# Altium PCB 10X SD CARD READER PCB.PcbDoc (part 3 of 4) (continued)
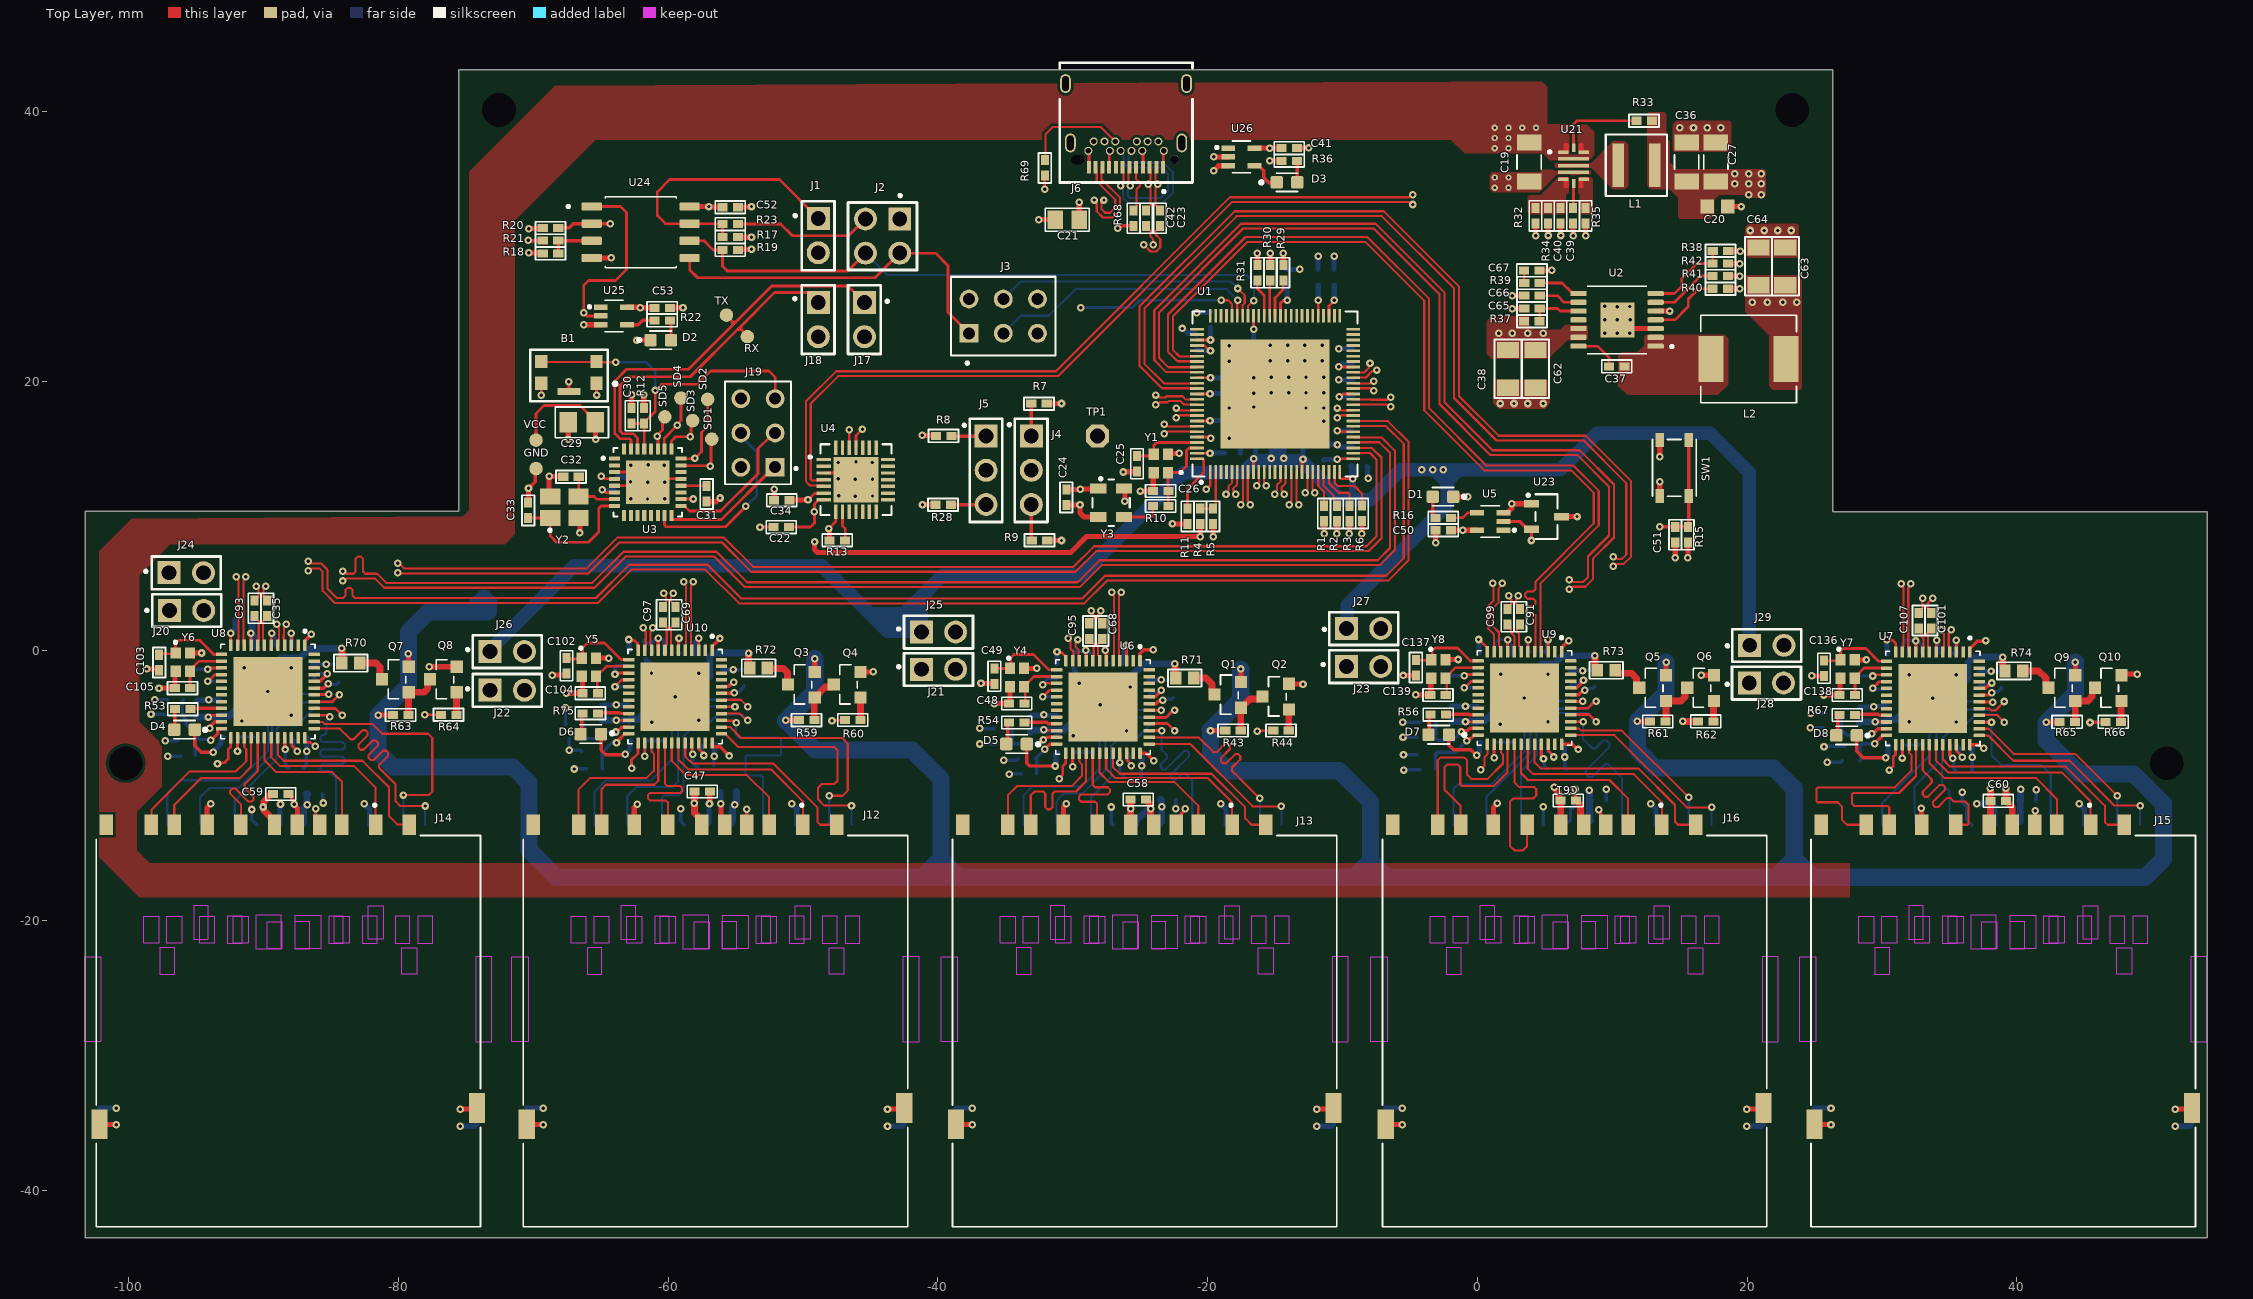
[diagram p0: Top Layer view]
## Nets (pads, with @x,y where several pads share a name; then routed paths per layer and width w, separated by ;. In a path a pad name is that pad's centre, name@x,y a point inside that pad or via, vN(x,y) a via of type N, cw(c..) or ccw(c..) an arc to the next point about the centre after c; other vN are vias at no path point) (continued)
  Int2 Sig1 w0.203: v1(-78.054,-4.75) -77.172,-3.868 -77.172,4.419 -72.034,9.557 -72.034,15.9 -70.231,17.704 -58.852,17.704 -58.369,17.221 v1(-58.369,15.875)
SD3_CD: J8.CD U6.1 | length 17.1
  Top Layer w0.254: U6.1@-25.019,-0.787 -25.019,-0.203 -24.74,0.076 v1(-24.028,0.076)
  Int2 Sig1 w0.254: v1(-27.153,-11.582) -27.153,-10.185 -27.991,-9.347 -27.991,-5.791 -26.721,-4.521 -26.721,-1.956 -24.689,0.076 v1(-24.028,0.076)
  Bottom Layer w0.254: v1(-27.153,-11.582) -27.153,-12.739 J8.CD@-26.992,-12.9
SD3_CLK: J8.5 U6.39 | length 14.5
  Top Layer w0.203: U6.39@-24.33,-5.913 -24.327,-5.916 -23.415,-5.916 v1(-23.413,-5.918)
  Bottom Layer w0.156: v1(-23.413,-5.918) -23.413,-7.347 -23.152,-7.607 -23.097,-7.663 -23.026,-7.733 -23.026,-7.961 -23.478,-8.413 -23.478,-8.641 -23.326,-8.793 -23.098,-8.793 -21.748,-7.443 -21.52,-7.443 -21.368,-7.595 -21.368,-7.823 -22.718,-9.173 -22.718,-9.402 -22.566,-9.554 -22.338,-9.554 -21.886,-9.101 -21.658,-9.101 -21.603,-9.157 -21.142,-9.618 J8.5@-21.142,-12.9
SD3_CMD: J8.2 U6.40 | length 14.2
  Top Layer w0.203: U6.40@-24.33,-5.413 -24.301,-5.385 -23.634,-5.385 -22.988,-5.385 v1(-22.455,-5.918)
  Bottom Layer w0.156: J8.2@-28.642,-12.9 -28.642,-10.836 -27.151,-9.345 -27.151,-7.046 -26.759,-6.655 -25.425,-6.655 -24.13,-5.359 -23.014,-5.359 v1(-22.455,-5.918)
SD3_D0: J8.7 U6.38 | length 16.2
  Top Layer w0.156: U6.38@-24.33,-6.413 -23.639,-6.413 -23.624,-6.428 -20.648,-6.428 -19.617,-7.46 -19.561,-7.515 -19.333,-7.515 -18.72,-6.902 -18.492,-6.902 -18.34,-7.054 -18.34,-7.282 -19.016,-7.958 -19.016,-8.186 -18.864,-8.338 -18.636,-8.338 -17.96,-7.662 -17.732,-7.662 -17.58,-7.814 -17.58,-8.042 -18.193,-8.655 -18.193,-8.883 -17.592,-9.485 -17.536,-9.54 v1(-16.129,-10.947)
  Bottom Layer w0.156: J8.7@-16.217,-12.9 -16.129,-12.813 v1(-16.129,-10.947)
SD3_D1: J8.8 U6.37 | length 13.1
  Top Layer w0.156: U6.37@-24.33,-6.913 -21.281,-6.913 -16.662,-11.532 v1(-14.529,-11.532)
  Bottom Layer w0.156: v1(-14.529,-11.532) -14.529,-12.872 J8.8@-14.509,-12.892
SD3_D2: J8.9 U6.42 | length 17.5
  Top Layer w0.203: U6.42@-24.33,-4.413 -24.327,-4.411 -23.43,-4.411 v1(-23.427,-4.408)
  Bottom Layer w0.156: J8.9@-33.642,-12.9 -33.642,-10.705 -32.995,-10.058 -29.337,-10.058 -28.021,-8.743 -28.021,-6.096 -26.32,-4.394 -23.442,-4.394 v1(-23.427,-4.408)
SD3_D3: J8.1 U6.41 | length 17
  Top Layer w0.203: U6.41@-24.33,-4.913 -24.301,-4.942 -23.099,-4.942 -22.551,-4.394 v1(-22.455,-4.394)
  Bottom Layer w0.156: J8.1@-31.142,-12.9 -31.212,-12.83 -31.212,-11.146 -30.658,-10.592 -29.303,-10.592 -27.587,-8.876 -27.587,-6.302 -26.238,-4.953 -23.661,-4.953 -23.639,-4.975 -23.216,-4.975 -23.194,-4.953 -23.014,-4.953 v1(-22.455,-4.394)
SD3_VCC: C43.2 C154.2 C157.2 J8.4 U6.23 | length 31.8
  Top Layer w0.254: v1(-32.172,-6.58) -32.09,-6.58 -31.926,-6.416 -31.203,-6.416 U6.23@-31.2,-6.413
  Int2 Sig1 w0.508: v1(-32.172,-6.58) -35.307,-6.58 -36.049,-7.321 -36.049,-12.575 -34.222,-14.402 -24.281,-14.402 -23.396,-13.516 v1(-23.396,-11.563)
  Bottom Layer w0.254: C154.2@-34.548,-5.776 -34.495,-5.829 -34.495,-6.856 C157.2@-34.442,-6.909 ; C157.2@-34.392,-6.833 -34.325,-6.899 -32.574,-6.899 -32.254,-6.58 v1(-32.172,-6.58)
  Bottom Layer w0.508: J8.4@-23.642,-12.9 -23.406,-12.664 -23.406,-11.573 v1(-23.396,-11.563) -23.406,-11.554 -23.406,-11.059 -23.452,-11.013 C43.2@-23.483,-11.013
SD4: R66.1 SD4.1 U3.26 | length 181
  Top Layer w0.203: U3.26@-60.274,14.961 -60.295,14.981 -60.295,15.753 v1(-59.334,16.713) ; v1@-59.309,16.713 -59.309,16.835 -59.055,17.089 SD4.1@-59.055,18.745 ; R66.1@46.567,-5.289 R66.1@46.586,-5.269
  Top Layer w0.254: v1@45.439,-5.307 R66.1@46.549,-5.307
  Top Layer w0.508: v1(45.43,-5.316) v1@45.439,-5.307 ; R66.1@46.549,-5.307 R66.1@46.567,-5.289
  Int2 Sig1 w0.203: v1(-59.334,16.713) -59.334,15.85 -60.02,15.164 -63.602,15.164 -64.516,14.249 -65.583,14.249 -76.016,3.816 -76.016,-14.433 -73.31,-17.14 24.872,-17.14 25.705,-16.307 29.108,-16.307 29.997,-17.196 43.967,-17.196 45.974,-15.189 45.974,-5.89 45.43,-5.345 v1(45.43,-5.316)
SD4_CD: J13.CD U6.36 | length 8.1
  Top Layer w0.254: U6.36@-25.015,-7.598 -24.558,-7.598 v1(-24.003,-8.153) ; J13.CD@-22.342,-12.9 -21.969,-12.527 -21.969,-12.084 -21.652,-11.767 v1(-21.652,-11.718)
  Int2 Sig1 w0.254: v1(-24.003,-8.153) -22.581,-8.153 -21.652,-9.082 v1(-21.652,-11.718)
  Int1_GND1 w0.254: v1(-21.652,-11.718) v1@-21.606,-11.718
SD4_CLK: J13.5 U6.29 | length 9.7
  Top Layer w0.156: U6.29@-28.515,-7.598 -28.515,-9.477 -28.515,-9.954 -28.353,-10.116 -27.406,-10.116 -27.245,-10.277 -27.245,-10.492 -27.406,-10.653 -29.385,-10.653 -29.546,-10.814 -29.546,-11.029 -29.385,-11.191 -28.353,-11.191 -28.192,-11.352 -28.192,-11.43 J13.5@-28.192,-12.9
SD4_CMD: J13.2 U6.30 | length 11.2
  Top Layer w0.156: U6.30@-28.015,-7.598 -28.015,-9.019 -27.297,-9.736 -22.445,-9.736 -20.692,-11.49 J13.2@-20.692,-12.9
SD4_D0: J13.7 U6.28 | length 11.1
  Top Layer w0.156: J13.7@-33.117,-12.9 -33.117,-10.714 -32.832,-10.429 -32.817,-10.429 -32.201,-10.429 -32.04,-10.59 -32.04,-11.588 -31.879,-11.75 -31.664,-11.75 -31.502,-11.588 -31.502,-10.59 -31.341,-10.429 -30.967,-10.429 -29.758,-10.429 -29.015,-9.685 U6.28@-29.015,-7.598
SD4_D1: J13.8 U6.27 | length 10
  Top Layer w0.156: J13.8@-34.817,-12.9 -34.817,-10.712 -34.138,-10.033 -30.076,-10.033 -29.324,-9.28 -29.324,-8.421 -29.515,-8.23 U6.27@-29.515,-7.598
SD4_D2: J13.9 U6.32 | length 14.6
  Top Layer w0.156: U6.32@-27.015,-7.598 -27.025,-7.608 -27.025,-8.495 -27.015,-8.505 -27.015,-8.622 -26.518,-9.119 -19.71,-9.119 -17.221,-11.608 -17.221,-12.421 -16.742,-12.9 J13.9@-15.692,-12.9
SD4_D3: J13.1 U6.31 | length 13.2
  Top Layer w0.156: U6.31@-27.515,-7.598 -27.515,-8.757 -26.844,-9.427 -19.986,-9.427 -18.192,-11.222 J13.1@-18.192,-12.9
SD4_VCC: C58.2 C148.2 C151.2 J13.4 U6.24 | length 17.9
  Top Layer w0.254: v1@-32.071,-7.278 -31.71,-6.916 -31.203,-6.916 U6.24@-31.2,-6.913 ; J13.4@-25.73,-12.598 J13.4@-25.721,-12.589
  Top Layer w0.508: J13.4@-25.721,-12.589 -25.721,-11.718 C58.2@-25.721,-11.021
  Int2 Sig1 w0.508: v1(-32.071,-7.284) -32.995,-8.207 -32.995,-11.887 -31.979,-12.903 -26.873,-12.903 -25.705,-11.735 v1(-25.705,-11.718)
  Bottom Layer w0.254: C148.2@-32.733,-8.006 -32.733,-7.956 -32.071,-7.294 v1(-32.071,-7.284) ; C151.2@-32.676,-9.109 C148.2@-32.676,-7.961
SD5: R62.1 SD5.1 U3.27 | length 229.1
  Top Layer w0.203: U3.27@-60.757,14.961 -60.757,15.875 v1(-60.808,15.926) -60.808,15.99 -60.427,16.371 -60.427,16.955 -60.401,16.98 -60.401,17.297 SD5.1@-60.427,17.323 ; v1(15.24,-5.232) v1@15.241,-5.231 ; R62.1@16.36,-5.229 R62.1@16.36,-5.229
  Top Layer w0.508: v1@15.241,-5.231 R62.1@16.36,-5.229
  Int2 Sig1 w0.203: v1(-60.808,15.926) -63.779,15.926 -64.872,14.834 -65.862,14.834 -76.583,4.113 -76.583,-14.839 -73.533,-17.888 44.367,-17.888 46.685,-15.57 46.685,-1.676 43.332,1.676 37.44,1.676 36.025,0.262 33.811,0.262 32.422,1.651 26.746,1.651 22.2,6.198 16.713,6.198 15.24,4.724 15.24,-0.33 v1(15.24,-5.232)
SD5_CD: J9.CD U8.1 | length 22.8
  Top Layer w0.254: U8.1@-86.934,0.415 -86.931,0.418 -86.931,0.75 v1(-86.462,1.219)
  Int2 Sig1 w0.203: v1(-90.869,-11.767) -90.139,-12.497 -85.598,-12.497 -84.506,-11.405 -84.506,-6.756 -86.462,-4.801 v1(-86.462,1.219)
  Bottom Layer w0.254: v1(-90.869,-11.767) -90.865,-11.771 -90.865,-12.527 J9.CD@-90.492,-12.9
SD5_CLK: J9.5 U8.39 | length 16.9
  Top Layer w0.203: U8.39@-86.249,-4.77 -85.293,-4.77 -85.186,-4.877 v1(-85.09,-4.877)
  Bottom Layer w0.156: v1(-85.09,-4.877) -85.09,-4.927 -85.332,-5.17 -85.332,-5.664 -85.332,-6.077 -85.493,-6.238 -85.628,-6.238 -85.789,-6.399 -85.789,-6.614 -85.628,-6.775 -84.126,-6.775 -83.965,-6.937 -83.965,-7.152 -84.126,-7.313 -85.628,-7.313 -85.789,-7.474 -85.789,-7.689 -85.628,-7.85 -84.126,-7.85 -83.965,-8.012 -83.965,-8.226 -84.126,-8.388 -85.628,-8.388 -85.789,-8.549 -85.789,-8.764 -85.628,-8.925 -85.159,-8.925 -85.081,-9.003 -84.642,-9.443 J9.5@-84.642,-12.9
SD5_CMD: J9.2 U8.40 | length 16.4
  Top Layer w0.203: U8.40@-86.249,-4.27 -84.68,-4.27 v1(-84.176,-4.775)
  Bottom Layer w0.156: J9.2@-92.142,-12.9 -92.142,-11.141 -89.052,-8.052 -89.052,-5.817 -88.773,-5.537 -87.554,-5.537 -86.208,-4.191 -84.76,-4.191 v1(-84.176,-4.775)
SD5_D0: J9.7 U8.38 | length 17.7
  Top Layer w0.156: U8.38@-86.249,-5.27 -85.611,-5.27 -85.446,-5.436 -81.915,-5.436 -81.204,-6.147 -77.8,-6.147 -77.495,-6.452 -77.495,-10.439 -77.749,-10.693 v1(-79.629,-10.693)
  Bottom Layer w0.156: J9.7@-79.717,-12.9 -79.629,-12.813 v1(-79.629,-10.693)
SD5_D1: J9.8 U8.37 | length 19.3
  Top Layer w0.156: U8.37@-86.249,-5.77 -84.349,-5.77 -83.617,-6.502 -83.561,-6.558 -83.333,-6.558 -82.663,-5.888 -82.435,-5.888 -82.283,-6.04 -82.283,-6.268 -82.973,-6.957 -82.973,-7.185 -82.821,-7.337 -82.593,-7.337 -81.903,-6.648 -81.675,-6.648 -81.523,-6.8 -81.523,-7.028 -82.213,-7.717 -82.213,-7.945 -82.061,-8.097 -81.833,-8.097 -81.143,-7.408 -80.915,-7.408 -80.763,-7.56 -80.763,-7.788 -81.433,-8.458 -81.433,-8.686 -81.094,-9.025 -81.039,-9.081 -80.208,-9.911 -80.208,-11.156 -79.858,-11.506 v1(-78.029,-11.506)
  Bottom Layer w0.156: v1(-78.029,-11.506) -78.029,-12.888 J9.8@-78.017,-12.9
SD5_D2: J9.9 U8.42 | length 20
  Top Layer w0.203: U8.42@-86.249,-3.27 -86.221,-3.242 -85.193,-3.242 v1(-85.165,-3.214)
  Bottom Layer w0.156: J9.9@-97.142,-12.9 -97.142,-10.553 -96.19,-9.601 -91.846,-9.601 -89.687,-7.442 -89.687,-4.851 -88.05,-3.214 v1(-85.165,-3.214)
SD5_D3: J9.1 U8.41 | length 19
  Top Layer w0.203: U8.41@-86.249,-3.77 -84.893,-3.77 v1(-84.374,-3.251)
  Bottom Layer w0.156: J9.1@-94.642,-12.9 -94.712,-12.83 -94.712,-10.866 -94.031,-10.185 -91.872,-10.185 -89.361,-7.675 -89.361,-5.313 -87.884,-3.835 -84.958,-3.835 v1(-84.374,-3.251)
SD5_VCC: C44.2 C144.2 C145.2 J9.4 U8.23 | length 18.5
  Top Layer w0.254: v1(-93.98,-5.74) -93.922,-5.682 -93.922,-5.557 -93.638,-5.273 -93.122,-5.273 U8.23@-93.119,-5.27
  Int2 Sig1 w0.508: v1(-93.98,-5.74) -93.421,-5.74 -92.812,-6.35 -92.812,-7.91 -90.756,-9.965 -87.411,-9.965 -86.766,-10.61 v1(-86.766,-11.405)
  Bottom Layer w0.254: C144.2@-96.037,-4.851 -96.037,-3.696 C145.2@-95.971,-3.629 ; C144.2@-95.939,-4.895 -95.732,-5.102 -95.732,-5.492 -95.483,-5.74 v1(-93.98,-5.74) ; v1@-86.804,-11.367 v1(-86.766,-11.405) ; C44.2@-86.804,-10.731 -86.729,-10.656 C44.2@-86.716,-10.643
  Bottom Layer w0.508: J9.4@-87.142,-12.9 -87.028,-12.787 -87.028,-11.68 -86.766,-11.418 v1(-86.766,-11.405) ; C44.2@-86.843,-10.617 -86.768,-10.617 -86.729,-10.656 C44.2@-86.722,-10.663 ; v1@-86.804,-11.367 C44.2@-86.804,-10.731
SD6_CD: J14.CD U8.36 | length 7.3
  Top Layer w0.203: U8.36@-86.934,-6.455 -86.934,-6.745 -86.906,-6.774 -86.572,-6.774 -86.268,-7.078 v1(-86.172,-7.078) ; v1(-86.13,-11.723) -86.13,-12.457 -86.208,-12.534 J14.CD@-85.842,-12.9
  Int2 Sig1 w0.203: v1@-86.157,-7.036 -86.151,-7.042 -86.151,-11.702 v1(-86.13,-11.723)
  Int1_GND1 w0.203: v1(-86.172,-7.078) v1@-86.138,-7.112
SD6_CLK: J14.5 U8.29 | length 10.4
  Top Layer w0.156: J14.5@-91.692,-12.9 -91.669,-12.877 -91.669,-11.513 -91.669,-11.403 -92.482,-10.59 -92.482,-10.362 -92.329,-10.21 -92.101,-10.21 -91.126,-11.185 -90.898,-11.185 -90.746,-11.033 -90.746,-10.805 -91.416,-10.135 -91.416,-9.907 -91.211,-9.703 -90.434,-8.925 U8.29@-90.434,-6.455
SD6_CMD: J14.2 U8.30 | length 11.3
  Top Layer w0.156: U8.30@-89.934,-6.455 -89.934,-8.11 -89.052,-8.992 -84.912,-8.992 -84.176,-9.728 -84.176,-12.884 J14.2@-84.192,-12.9
SD6_D0: J14.7 U8.28 | length 10.5
  Top Layer w0.156: J14.7@-96.617,-12.9 -96.622,-12.895 -96.622,-11.43 -94.61,-9.418 -91.745,-9.418 -90.934,-8.607 U8.28@-90.934,-6.455
SD6_D1: J14.8 U8.27 | length 11.4
  Top Layer w0.156: J14.8@-98.317,-12.9 -98.317,-11.779 -95.479,-8.941 -92.05,-8.941 -91.288,-8.179 -91.288,-7.29 -91.434,-7.143 U8.27@-91.434,-6.455
SD6_D2: J14.9 U8.32 | length 14.4
  Top Layer w0.156: U8.32@-88.934,-6.455 -88.934,-7.738 -88.519,-8.153 -82.677,-8.153 -80.696,-10.135 -80.696,-12.268 -80.095,-12.869 J14.9@-79.223,-12.869
SD6_D3: J14.1 U8.31 | length 12.9
  Top Layer w0.156: U8.31@-89.434,-6.455 -89.434,-7.899 -88.798,-8.534 -83.312,-8.534 -81.692,-10.155 J14.1@-81.692,-12.9
SD6_VCC: C59.2 C142.2 C143.2 J14.4 U8.24 | length 14.6
  Top Layer w0.254: v1(-93.929,-6.629) -93.881,-6.629 -93.4,-6.148 -93.4,-5.773 -93.397,-5.77 U8.24@-93.119,-5.77
  Top Layer w0.508: v1(-90.043,-11.582) -90.043,-11.569 -89.985,-11.51 -89.985,-11.172 C59.2@-89.484,-10.672 ; v1@-89.992,-11.633 -89.985,-11.641 -89.985,-11.857 -89.192,-12.65 J14.4@-89.192,-12.9
  Int2 Sig1 w0.508: v1(-93.929,-6.629) -94.641,-7.341 -94.641,-8.406 -92.213,-10.834 -90.346,-10.834 -90.049,-11.132 -90.049,-11.576 v1(-90.043,-11.582)
  Bottom Layer w0.254: C143.2@-95.065,-7.755 C142.2@-95.065,-6.685 ; C142.2@-94.971,-6.346 -94.741,-6.576 -93.983,-6.576 v1(-93.929,-6.629)
SD7_CD: J10.CD U7.1 | length 26.9
  Top Layer w0.254: U7.1@36.524,-0.093 36.524,0.197 36.527,0.2 36.541,0.2 37.052,0.711 v1@37.744,0.711
  Int2 Sig1 w0.254: v1(35.966,-10.49) 35.966,-11.709 36.322,-12.065 38.151,-12.065 38.6,-11.615 38.6,-9.365 ; v1(37.694,0.762) 37.694,0.737 36.881,-0.076 36.881,-6.172 36.373,-6.68 34.874,-6.68 34.29,-7.264 34.29,-8.103 34.976,-8.788 38.024,-8.788 38.6,-9.365 ; 38.608,-9.373 38.6,-9.365
  Bottom Layer w0.254: v1(35.966,-10.49) 35.966,-11.227 36.297,-11.558 36.297,-12.527 J10.CD@36.67,-12.9
SD7_CLK: J10.5 U7.39 | length 12.1
  Top Layer w0.203: U7.39@37.209,-5.278 37.211,-5.281 38.123,-5.281 v1(38.125,-5.283)
  Bottom Layer w0.156: v1(38.125,-5.283) 38.125,-7.74 38.843,-8.458 41.808,-8.458 42.52,-9.171 J10.5@42.52,-12.9
SD7_CMD: J10.2 U7.40 | length 14.3
  Top Layer w0.156: U7.40@37.209,-4.778 37.214,-4.773 38.573,-4.773 v1(39.083,-5.283)
  Bottom Layer w0.156: J10.2@35.02,-12.9 35.02,-10.433 34.468,-9.881 34.468,-6.502 35.027,-5.944 35.738,-5.944 36.957,-4.724 38.493,-4.724 39.051,-5.283 v1(39.083,-5.283)
SD7_D0: J10.7 U7.38 | length 14.5
  Top Layer w0.156: U7.38@37.209,-5.778 37.909,-5.778 39.776,-7.645 44.348,-7.645 v1(47.447,-10.744)
  Bottom Layer w0.156: J10.7@47.445,-12.9 47.445,-10.746 v1(47.447,-10.744)
SD7_D1: J10.8 U7.37 | length 15.5
  Top Layer w0.156: U7.37@37.209,-6.278 37.876,-6.278 39.751,-8.153 43.917,-8.153 47.244,-11.481 v1(49.149,-11.481)
  Bottom Layer w0.156: J10.8@49.145,-12.9 49.145,-11.484 v1(49.149,-11.481)
SD7_D2: J10.9 U7.42 | length 15.4
  Top Layer w0.203: U7.42@37.209,-3.778 37.223,-3.793 38.187,-3.793 v1(38.202,-3.808)
  Bottom Layer w0.156: J10.9@30.02,-12.9 30.02,-11.28 33.539,-7.761 33.539,-5.221 35.009,-3.751 38.145,-3.751 v1(38.202,-3.808)
SD7_D3: J10.1 U7.41 | length 16
  Top Layer w0.156: U7.41@37.209,-4.278 37.951,-4.278 38.098,-4.426 38.417,-4.426 v1(39.083,-3.759)
  Bottom Layer w0.156: J10.1@32.52,-12.9 32.45,-12.83 32.45,-11.912 32.408,-11.87 32.408,-10.06 34.036,-8.433 34.036,-5.588 35.255,-4.369 38.474,-4.369 v1(39.083,-3.759)
SD7_VCC: C45.2 C160.2 C161.2 J10.4 U7.23 | length 30
  Top Layer w0.254: v1(29.253,-6.15) 29.336,-6.15 29.704,-5.781 30.336,-5.781 U7.23@30.339,-5.778
  Int2 Sig1 w0.508: v1(29.253,-6.15) 27.787,-6.15 27.102,-6.835 27.102,-10.709 29.162,-12.769 39.558,-12.769 40.278,-12.049 40.278,-10.344 v1@40.361,-10.262
  Bottom Layer w0.254: C160.2@26.932,-5.72 26.932,-5.77 27.41,-6.248 29.072,-6.248 29.171,-6.15 v1(29.253,-6.15) ; C160.2@26.991,-5.528 C161.2@26.991,-4.62 ; J10.4@40.02,-12.9 J10.4@40.255,-12.665 ; C45.2@40.251,-11.11 C45.2@40.269,-11.128
  Bottom Layer w0.508: C45.2@40.251,-11.11 40.273,-11.088 40.273,-10.263 v1(40.278,-10.258) ; J10.4@40.255,-12.665 C45.2@40.255,-11.141
SD8_CD: J15.CD U7.36 | length 10.8
  Top Layer w0.254: U7.36@36.524,-6.963 37.217,-6.963 37.475,-7.222 v1(37.558,-7.222) ; J15.CD@41.32,-12.9 41.371,-12.849 v1(41.371,-11.86)
  Int2 Sig1 w0.254: v1(37.558,-7.222) 39.81,-7.222 42.647,-10.058 42.647,-10.585 v1(41.371,-11.86)
SD8_CLK: J15.5 U7.29 | length 13.7
  Top Layer w0.156: U7.29@33.024,-6.963 33.024,-8.868 33.223,-9.068 33.279,-9.123 33.695,-9.539 33.695,-9.767 33.025,-10.437 33.025,-10.665 33.177,-10.817 33.405,-10.817 34.285,-9.936 34.514,-9.936 34.666,-10.088 34.666,-10.317 33.785,-11.197 33.785,-11.425 33.937,-11.577 34.165,-11.577 34.835,-10.907 35.063,-10.907 35.118,-10.963 35.331,-11.176 36.169,-11.176 36.427,-11.433 36.427,-12.817 36.343,-12.9 J15.5@35.47,-12.9
SD8_CMD: J15.2 U7.30 | length 13.8
  Top Layer w0.156: U7.30@33.524,-6.963 33.524,-8.327 34.62,-9.423 41.402,-9.423 42.97,-10.992 J15.2@42.97,-12.9
SD8_D0: J15.7 U7.28 | length 12.5
  Top Layer w0.156: J15.7@30.545,-12.9 30.545,-11.633 30.418,-11.506 27.94,-11.506 27.788,-11.354 27.788,-10.625 27.871,-10.541 31.267,-10.541 32.524,-9.285 U7.28@32.524,-6.963
SD8_D1: J15.8 U7.27 | length 15.5
  Top Layer w0.156: J15.8@28.845,-12.9 27.404,-12.9 27.026,-12.522 27.026,-11.532 26.721,-11.227 25.242,-11.227 25.159,-11.143 25.159,-10.206 25.242,-10.122 30.95,-10.122 32.207,-8.865 32.207,-7.747 32.024,-7.563 U7.27@32.024,-6.963
SD8_D2: J15.9 U7.32 | length 17.3
  Top Layer w0.156: U7.32@34.524,-6.963 34.524,-8.064 35.047,-8.588 35.177,-8.588 35.179,-8.585 43.637,-8.585 46.533,-11.481 46.533,-12.7 46.733,-12.9 J15.9@47.97,-12.9
SD8_D3: J15.1 U7.31 | length 15.6
  Top Layer w0.156: U7.31@34.024,-6.963 34.024,-8.141 34.9,-9.017 43.332,-9.017 45.47,-11.155 J15.1@45.47,-12.9
SD8_VCC: C60.2 C158.2 C159.2 J15.4 U7.24 | length 19.3
  Top Layer w0.254: v1(29.463,-6.883) 29.463,-6.864 30.049,-6.278 U7.24@30.339,-6.278
  Top Layer w0.508: J15.4@37.97,-12.9 38.049,-12.821 38.049,-11.176 C60.2@38.024,-11.151 ; v1(38.042,-10.191) 38.045,-10.195 38.045,-11.121 C60.2@38.049,-11.125
  Int2 Sig1 w0.508: v1(29.463,-6.883) 28.524,-7.823 28.524,-9.306 29.421,-10.203 33.993,-10.203 34.62,-9.576 37.426,-9.576 v1(38.042,-10.191)
  Bottom Layer w0.254: C159.2@28.353,-7.093 28.413,-7.153 28.413,-8.099 C158.2@28.354,-8.158 ; C159.2@28.413,-7.033 28.562,-6.883 v1@29.442,-6.883
SD9_CD: J11.CD U9.1 | length 17.3
  Top Layer w0.254: U9.1@6.241,-0.068 6.241,0.222 6.755,0.737 v1(6.782,0.737)
  Int2 Sig1 w0.254: v1(4.902,-11.557) 6.052,-11.557 6.706,-10.904 6.706,-9.279 7.369,-8.615 7.369,-7.981 6.934,-7.547 6.934,-4.173 6.002,-3.24 6.002,-0.17 v1@6.858,0.686
  Bottom Layer w0.254: J11.CD@4.885,-12.9 4.885,-11.574 v1(4.902,-11.557)
SD9_CLK: J11.5 U9.39 | length 14.8
  Top Layer w0.203: U9.39@6.926,-5.253 6.929,-5.255 7.841,-5.255 v1(7.843,-5.257)
  Bottom Layer w0.156: v1(7.843,-5.257) 7.843,-6.548 8.369,-7.074 8.425,-7.129 8.524,-7.228 8.759,-7.228 9.336,-6.65 9.571,-6.65 9.806,-6.885 9.806,-7.12 8.039,-8.888 8.039,-9.123 8.274,-9.358 8.509,-9.358 9.463,-8.403 9.698,-8.403 9.754,-8.458 10.735,-9.44 J11.5@10.735,-12.9
SD9_CMD: J11.2 U9.40 | length 15.3
  Top Layer w0.203: U9.40@6.926,-4.753 6.955,-4.724 7.622,-4.724 ; 7.622,-4.724 8.268,-4.724 v1(8.801,-5.257)
  Bottom Layer w0.156: J11.2@3.235,-12.9 3.235,-8.928 4.394,-7.769 4.394,-5.08 4.851,-4.623 8.166,-4.623 v1(8.801,-5.257)
SD9_D0: J11.7 U9.38 | length 12.9
  Top Layer w0.156: U9.38@6.926,-5.753 7.531,-5.753 7.696,-5.918 10.719,-5.918 v1(15.672,-10.871)
  Bottom Layer w0.156: J11.7@15.66,-12.9 15.672,-12.889 v1(15.672,-10.871)
SD9_D1: J11.8 U9.37 | length 14
  Top Layer w0.156: U9.37@6.926,-6.253 10.164,-6.253 15.519,-11.608 v1(17.374,-11.608)
  Bottom Layer w0.156: J11.8@17.36,-12.9 17.374,-12.887 v1(17.374,-11.608)
SD9_D2: J11.9 U9.42 | length 17.4
  Top Layer w0.203: U9.42@6.926,-3.753 7.806,-3.753 v1(7.825,-3.733)
  Bottom Layer w0.156: J11.9@-1.765,-12.9 -1.765,-10.223 -1.473,-9.931 0.991,-9.931 3.505,-7.417 3.505,-4.75 4.522,-3.733 v1(7.825,-3.733)
SD9_D3: J11.1 U9.41 | length 16.9
  Top Layer w0.203: U9.41@6.926,-4.253 6.94,-4.267 8.171,-4.267 8.705,-3.733 v1(8.801,-3.733)
  Bottom Layer w0.156: J11.1@0.735,-12.9 0.665,-12.83 0.665,-10.841 3.937,-7.569 3.937,-4.851 4.496,-4.293 8.242,-4.293 v1(8.801,-3.733)
SD9_VCC: C46.2 C147.2 C150.2 J11.4 U9.23 | length 25.3
  Top Layer w0.254: v1(-1.177,-5.998) -1.119,-5.94 -0.748,-5.94 -0.564,-5.756 0.053,-5.756 U9.23@0.056,-5.753
  Int2 Sig1 w0.508: v1(-1.177,-5.998) -1.787,-5.998 -2.286,-6.497 -2.286,-10.863 -0.017,-13.132 5.526,-13.132 v1@8.296,-10.361
  Bottom Layer w0.254: C147.2@-3.14,-6.428 -2.946,-6.623 -1.802,-6.623 v1(-1.177,-5.998) ; C150.2@-3.088,-5.313 -3.088,-6.157 C147.2@-3.048,-6.198
  Bottom Layer w0.508: v1(8.306,-10.338) 8.316,-10.348 8.316,-11.057 C46.2@8.362,-11.103 ; J11.4@8.378,-12.601 8.313,-12.536 8.313,-11.149 8.359,-11.103 C46.2@8.362,-11.103 ; C46.2@8.392,-11.103 C46.2@8.362,-11.103
SD10_CD: J16.CD U9.36 | length 8.4
  Top Layer w0.254: U9.36@6.241,-6.938 7.033,-6.938 7.487,-7.391 v1@7.518,-7.391 ; v1(8.999,-11.801) 8.999,-11.883 9.162,-12.047 9.162,-12.527 J16.CD@9.535,-12.9
  Int2 Sig1 w0.254: v1(7.493,-7.315) 8.28,-7.315 8.999,-8.034 v1(8.999,-11.801)
SD10_CLK: J16.5 U9.29 | length 13.7
  Top Layer w0.156: U9.29@2.741,-6.938 2.741,-9.752 3.099,-10.109 4.216,-10.109 4.369,-10.262 4.369,-10.719 4.14,-10.947 2.667,-10.947 2.413,-11.201 2.413,-14.453 2.769,-14.808 3.378,-14.808 3.685,-14.501 J16.5@3.685,-12.9
SD10_CMD: J16.2 U9.30 | length 12.8
  Top Layer w0.156: U9.30@3.241,-6.938 3.241,-9.058 3.759,-9.576 9.804,-9.576 11.185,-10.957 J16.2@11.185,-12.9
SD10_D0: J16.7 U9.28 | length 13.4
  Top Layer w0.156: J16.7@-1.24,-12.9 -1.24,-11.511 -2.438,-10.312 -2.438,-8.636 -2.235,-8.433 -1.448,-8.433 -1.27,-8.611 -1.27,-9.906 -1.143,-10.033 1.194,-10.033 2.241,-8.986 U9.28@2.241,-6.938
SD10_D1: J16.8 U9.27 | length 13
  Top Layer w0.156: J16.8@-2.94,-12.9 -2.94,-8.121 -2.718,-7.899 -0.991,-7.899 -0.762,-8.128 -0.762,-9.195 -0.457,-9.5 0.762,-9.5 1.905,-8.357 1.905,-7.696 1.741,-7.532 U9.27@1.741,-6.938
SD10_D2: J16.9 U9.32 | length 15.9
  Top Layer w0.156: U9.32@4.241,-6.938 4.241,-8.254 4.699,-8.712 11.938,-8.712 14.656,-11.43 14.656,-12.675 14.881,-12.9 J16.9@16.185,-12.9
SD10_D3: J16.1 U9.31 | length 14.5
  Top Layer w0.156: U9.31@3.741,-6.938 3.741,-8.745 4.14,-9.144 11.608,-9.144 13.685,-11.222 J16.1@13.685,-12.9
SD10_VCC: C61.2 C153.2 C156.2 J16.4 U9.24 | length 17.6
  Top Layer w0.254: v1(-0.787,-6.68) -0.661,-6.68 -0.234,-6.253 U9.24@0.056,-6.253
  Top Layer w0.508: v1(5.69,-10.109) 5.69,-10.123 6.035,-10.469 6.035,-11.051 6.11,-11.051 C61.2@6.156,-11.097 ; J16.4@6.185,-12.9 C61.2@6.185,-11.089
  Int2 Sig1 w0.508: v1(-0.787,-6.68) -0.787,-9.531 0.029,-10.348 2.733,-10.348 2.972,-10.109 v1(5.69,-10.109)
  Bottom Layer w0.254: C156.2@-3.073,-8.737 -3.073,-7.773 C153.2@-3.14,-7.706 -2.962,-7.528 -1.635,-7.528 -0.887,-6.78 v1@-0.887,-6.733
SPI_CE: J3.4 U24.1 U25.2 | length 44.9
  Top Layer w0.203: U24.1@-65.667,32.944 -63.551,32.944 -63.094,32.487 -63.094,28.27 -63.906,27.457 -65.913,27.457 -66.269,27.102 v1(-66.269,25.07) -66.03,24.831 U25.2@-64.999,24.831
  Int2 Sig1 w0.203: v1(-66.269,25.07) -66.269,26.492 -65.43,27.33 -38.938,27.33 J3.4@-37.694,26.086
SPI_CE_N/CFG_NON_REM/PF20: J3.5 U1.69 | length 20.5
  Top Layer w0.156: v1(-17.755,26.865) -17.245,26.355 -17.245,25.784 -17.401,25.627 U1.69@-17.401,24.839
  Bottom Layer w0.156: J3.5@-35.154,26.086 -33.858,27.381 -18.271,27.381 v1(-17.755,26.865)
SPI_CLK: J2.4 R19.1 U1.68 U24.6 | length 47.6
  Top Layer w0.156: U1.68@-17.001,24.839 -17.001,25.581 -16.633,25.949 v1(-16.569,25.949)
  Top Layer w0.203: U24.6@-58.407,30.404 -57.353,30.404 -56.671,29.722 R19.1@-55.976,29.722 -55.976,28.524 -55.62,28.169 -46.687,28.169 J2.4@-45.37,29.486
  Bottom Layer w0.156: J2.4@-45.37,29.486 -43.747,27.864 -17.12,27.864 -16.569,27.314 v1(-16.569,25.949)
SPI_D2: J2.1 R21.2 | length 31.1
  Top Layer w0.254: v1(-70.383,30.429) -70.371,30.417 R21.2@-69.302,30.417
  Int2 Sig1 w0.203: v1(-70.383,30.429) -67.488,30.429 -63.678,34.239 -45.043,34.239 J2.1@-42.83,32.026
SPI_D3: J2.3 R23.2 | length 10.3
  Top Layer w0.203: R23.2@-54.826,31.642 -51.657,31.642 -50.8,30.785 -46.611,30.785 J2.3@-45.37,32.026
SPI_MISO/D1: R20.1 U1.71 U24.2 | length 53.9
  Top Layer w0.156: v1(-19.001,25.995) -18.479,25.995 -18.201,25.717 U1.71@-18.201,24.839
  Top Layer w0.254: R20.1@-68.152,31.361 -67.344,31.361 -67.031,31.674 U24.2@-65.667,31.674 v1(-64.287,31.674)
  Int2 Sig1 w0.203: v1(-64.287,31.674) -60.452,27.838 -31.801,27.838 v1(-29.413,25.451)
  Bottom Layer w0.203: v1(-29.413,25.451) -25.578,25.451 -25.034,25.995 v1(-19.001,25.995)
SPI_MOSI/D0: J2.2 J3.1 U24.5 | length 27.1
  Top Layer w0.203: U24.5@-58.407,29.134 -58.407,28.259 -57.809,27.661 -44.655,27.661 J2.2@-42.83,29.486 -40.187,29.486 -39.254,28.553 -39.254,25.106 J3.1@-37.694,23.546
SPI_MOSI/D0/CFG_BC_EN/PF22: J3.2 U1.70 | length 20.3
  Top Layer w0.156: U1.70@-17.801,24.839 -17.801,25.949 v1(-17.755,25.995)
  Bottom Layer w0.156: J3.2@-35.154,23.546 -33.858,24.841 -31.775,24.841 -29.794,26.822 -18.582,26.822 v1(-17.755,25.995)